# Altium PCB mdriver_power.PcbDoc (part 4 of 5) (continued)
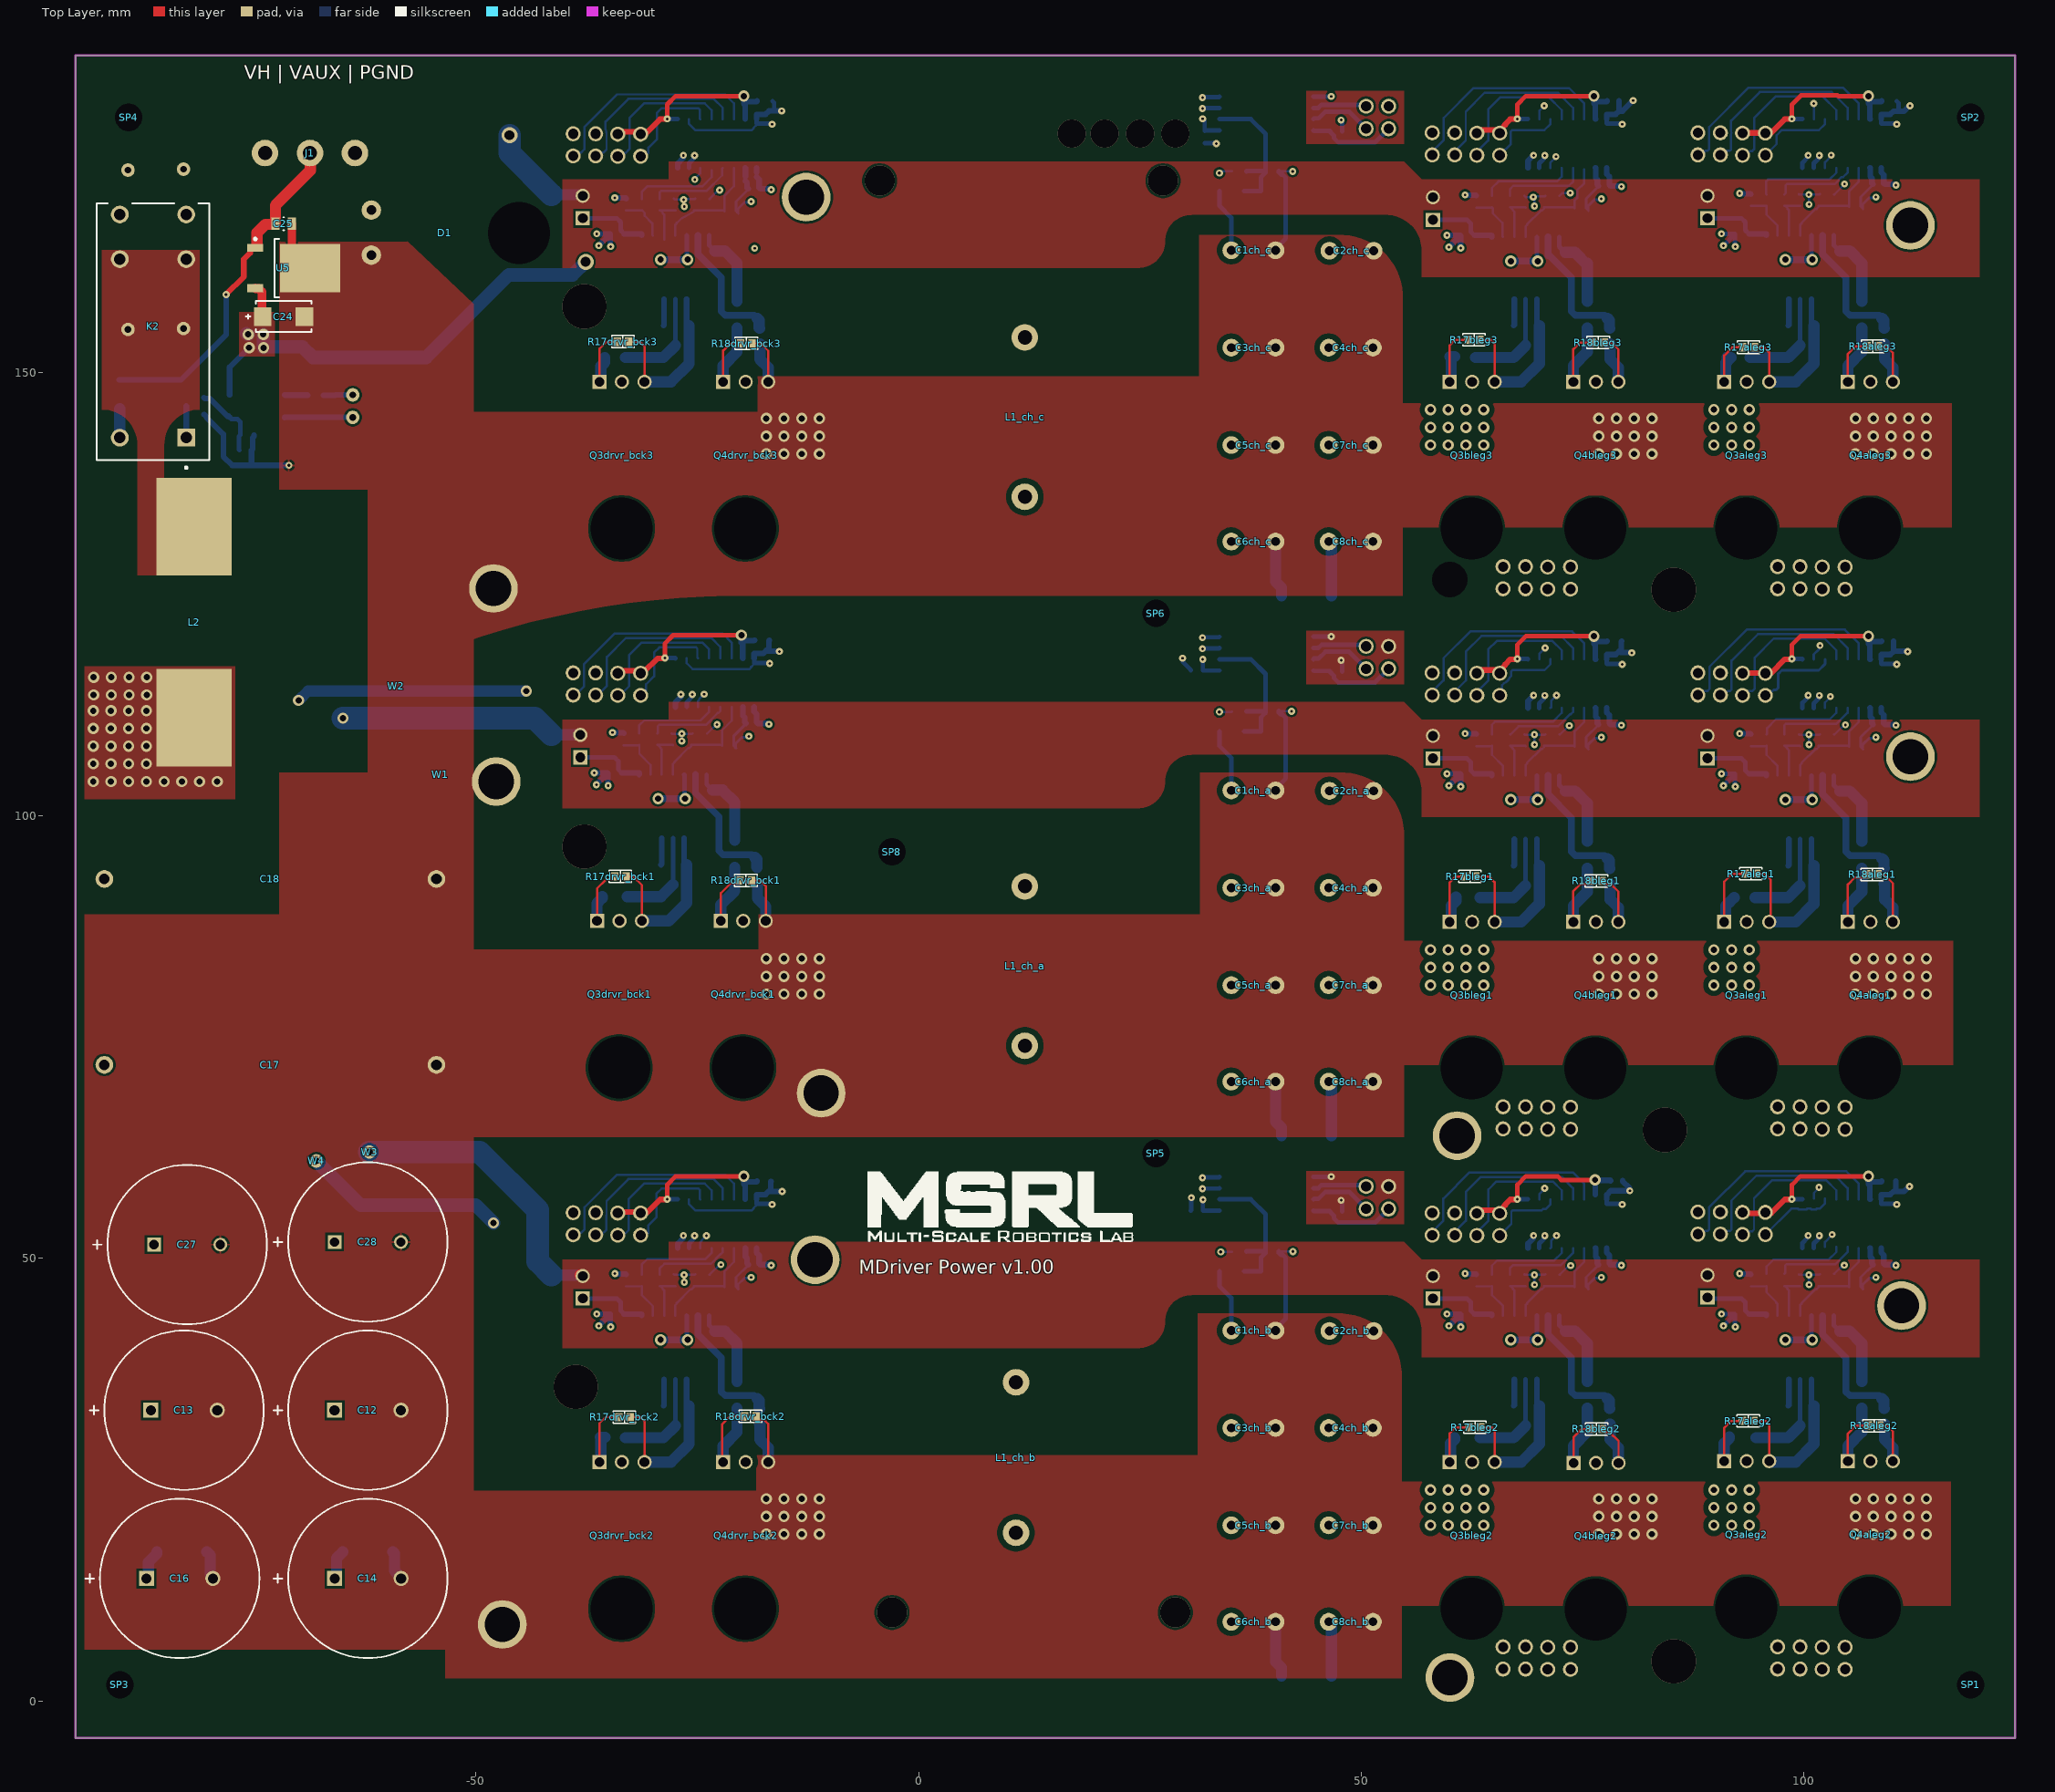
[diagram p0: Top Layer view]
## Nets (pads, with @x,y where several pads share a name; then routed paths per layer and width w, separated by ;. In a path a pad name is that pad's centre, name@x,y a point inside that pad or via, vN(x,y) a via of type N, cw(c..) or ccw(c..) an arc to the next point about the centre after c; other vN are vias at no path point) (continued)
  Bottom Layer w0.635: U4drvr_bck1.8@-18.567,117.766 -18.567,118.281 -18.55,118.298 -17.544,118.298 -17.172,118.67 -17.069,118.568 -15.749,118.568 v2(-15.718,118.536) ; -16.901,118.568 -16.901,119.734 cdrvr_bck1.2@-16.859,119.776
SGND_ext_drvr_bck2: cdrvr_bck2.2 P4drvr_bck2.6 P4drvr_bck2.8 U4drvr_bck2.2 U4drvr_bck2.8 | length 15.9
  Bottom Layer w0.254: U4drvr_bck2.2@-25.914,56.654 -25.914,56.104 -25.233,55.423 -18.82,55.423 -18.64,55.603 -18.64,55.664 -18.252,56.053 U4drvr_bck2.8@-18.252,56.134
  Bottom Layer w0.508: U4drvr_bck2.8@-18.294,56.654 -18.294,56.176 -18.252,56.134 -16.596,56.134 v2(-16.54,56.078)
  Bottom Layer w0.635: U4drvr_bck2.8@-18.294,56.654 -18.294,57.169 -18.277,57.186 -17.271,57.186 -16.899,57.558 ; cdrvr_bck2.2@-16.665,58.687 -16.708,58.644 -16.708,57.75 -16.899,57.558 ; v2(-15.401,57.541) -15.418,57.558 -16.665,57.558 -16.899,57.558
SGND_ext_drvr_bck3: cdrvr_bck3.2 P4drvr_bck3.6 P4drvr_bck3.8 U4drvr_bck3.2 U4drvr_bck3.8 | length 15.9
  Bottom Layer w0.254: U4drvr_bck3.2@-25.914,178.654 -25.914,178.104 -25.233,177.423 -18.82,177.423 -18.64,177.603 -18.64,177.664 -18.252,178.053 U4drvr_bck3.8@-18.252,178.134
  Bottom Layer w0.508: U4drvr_bck3.8@-18.294,178.654 -18.294,178.176 -18.252,178.134 -16.596,178.134 v2(-16.54,178.078) ; cdrvr_bck3.2@-16.502,180.701 -16.306,180.505 -16.306,179.694 -16.19,179.578
  Bottom Layer w0.635: U4drvr_bck3.8@-18.294,178.654 -18.294,179.169 -18.277,179.186 -17.271,179.186 -16.879,179.578 -16.19,179.578 v2(-15.464,179.578)
VAUX: C25.1 J1.2 P1aleg1.2 P1aleg2.2 P1aleg3.2 P1bleg1.2 P1bleg2.2 P1bleg3.2 P1drvr_bck1.2 P1drvr_bck2.2 P1drvr_bck3.2 R20.1 U5.1 W3.2 | length 260.6
  Top Layer w0.635: v3(-78.19,158.842) -76.19,160.842 -76.19,162.824 -75.474,163.539 -75.474,163.989 -75.342,164.122 U5.1@-74.892,164.122
  Top Layer w1.27: U5.1@-74.69,164.307 -74.69,165.842 -73.755,166.777 -72.682,166.777 C25.1@-72.617,166.842 -72.617,168.915 -68.69,172.842 J1.2@-68.69,174.842 ; P1drvr_bck2.2@-38.19,48.112 P1drvr_bck2.2@-38.152,48.074 ; P1drvr_bck1.2@-38.19,109.112 P1drvr_bck1.2@-38.152,109.074 ; P1drvr_bck2.2@-37.917,48 P1drvr_bck2.2@-37.879,47.962 ; P1drvr_bck3.2@-37.917,170 P1drvr_bck3.2@-37.879,169.962
  Int1 (GND) w1.27: -67.509,109.058 -67.293,108.842 ; -67.349,115.992 -67.293,116.049 ; -67.293,67 -67,67
  Int1 (GND) w2: J1.2@-68.69,174.842 -68.69,178.242 -67.39,179.542 -53.49,179.542 -50.79,176.842 v7(-46.19,176.842)
  Int1 (GND) w2.032: -69.69,134.842 -69.69,136.842 -66.69,139.842 -66.69,162.842 -68.69,164.842 J1.2@-68.69,174.842
  Int1 (GND) w2.54: -69.69,134.842 -69.69,118.333 -67.349,115.992 ; -67.293,67 -67.293,108.842 -67.293,111 ; -67.293,116.049 -67.293,111 ; -67,67 W3.2@-62,62 ; v1(-65,111) -67.293,111
  Bottom Layer w0.635: R20.1@-90.29,149.217 -83.268,149.217 -78.19,154.295 v3(-78.19,158.842)
  Bottom Layer w1.27: -41.46,48.112 P1drvr_bck2.2@-38.19,48.112 ; -41.46,109.112 P1drvr_bck1.2@-38.19,109.112 ; -41.46,170.112 P1drvr_bck3.2@-38.19,170.112
  Bottom Layer w2.54: v1(-65,111) -43.348,111 -41.46,109.112 ; W3.2@-62,62 -49.561,62 -43,55.439 -43,49.652 -41.46,48.112 ; v7(-46.19,176.842) -46.19,174.842 -41.46,170.112
VAUX_A_aleg1: C10aleg1.2 P1aleg1.1 U2aleg1.1 | length 8.1
  Bottom Layer w0.508: P1aleg1.1@89.083,106.46 92.935,106.46 93.362,106.033 93.362,105.096 C10aleg1.2@93.758,104.7
  Bottom Layer w0.635: C10aleg1.2@93.758,104.7 95.723,104.7 95.73,104.692 U2aleg1.1@95.73,104.524
VAUX_A_aleg2: C10aleg2.2 P1aleg2.1 U2aleg2.1 | length 8.1
  Bottom Layer w0.508: P1aleg2.1@89.083,45.46 92.935,45.46 93.362,45.033 93.362,44.096 C10aleg2.2@93.758,43.7
  Bottom Layer w0.635: C10aleg2.2@93.758,43.7 95.723,43.7 95.73,43.692 U2aleg2.1@95.73,43.524
VAUX_A_aleg3: C10aleg3.2 P1aleg3.1 U2aleg3.1 | length 8.1
  Bottom Layer w0.508: P1aleg3.1@89.083,167.46 92.935,167.46 93.362,167.033 93.362,166.096 C10aleg3.2@93.758,165.7
  Bottom Layer w0.635: C10aleg3.2@93.758,165.7 95.723,165.7 95.73,165.692 U2aleg3.1@95.73,165.524
VAUX_A_bleg1: C10bleg1.2 P1bleg1.1 U2bleg1.1 | length 8.1
  Bottom Layer w0.508: P1bleg1.1@58.083,106.46 61.935,106.46 62.362,106.033 62.362,105.096 C10bleg1.2@62.758,104.7
  Bottom Layer w0.635: C10bleg1.2@62.758,104.7 64.723,104.7 64.73,104.692 U2bleg1.1@64.73,104.524
VAUX_A_bleg2: C10bleg2.2 P1bleg2.1 U2bleg2.1 | length 8.1
  Bottom Layer w0.508: P1bleg2.1@58.083,45.46 61.935,45.46 62.362,45.033 62.362,44.096 C10bleg2.2@62.758,43.7
  Bottom Layer w0.635: C10bleg2.2@62.758,43.7 64.723,43.7 64.73,43.692 U2bleg2.1@64.73,43.524
VAUX_A_bleg3: C10bleg3.2 P1bleg3.1 U2bleg3.1 | length 8.1
  Bottom Layer w0.508: P1bleg3.1@58.083,167.282 61.935,167.282 62.362,166.855 62.362,165.918 C10bleg3.2@62.758,165.522
  Bottom Layer w0.635: C10bleg3.2@62.758,165.522 64.723,165.522 64.73,165.515 U2bleg3.1@64.73,165.346
VAUX_A_drvr_bck1: C10drvr_bck1.2 P1drvr_bck1.1 U2drvr_bck1.1 | length 8.1
  Bottom Layer w0.508: P1drvr_bck1.1@-38.19,106.572 -34.338,106.572 -33.911,106.145 -33.911,105.208 C10drvr_bck1.2@-33.515,104.812
  Bottom Layer w0.635: C10drvr_bck1.2@-33.515,104.812 -31.55,104.812 -31.543,104.804 U2drvr_bck1.1@-31.543,104.636
VAUX_A_drvr_bck2: C10drvr_bck2.2 P1drvr_bck2.1 U2drvr_bck2.1 | length 8.1
  Bottom Layer w0.508: P1drvr_bck2.1@-37.917,45.46 -34.065,45.46 -33.638,45.033 -33.638,44.096 C10drvr_bck2.2@-33.242,43.7
  Bottom Layer w0.635: C10drvr_bck2.2@-33.242,43.7 -31.277,43.7 -31.27,43.692 U2drvr_bck2.1@-31.27,43.524
VAUX_A_drvr_bck3: C10drvr_bck3.2 P1drvr_bck3.1 U2drvr_bck3.1 | length 8.1
  Bottom Layer w0.508: P1drvr_bck3.1@-37.917,167.46 -34.065,167.46 -33.638,167.033 -33.638,166.096 C10drvr_bck3.2@-33.242,165.7
  Bottom Layer w0.635: C10drvr_bck3.2@-33.242,165.7 -31.277,165.7 -31.27,165.692 U2drvr_bck3.1@-31.27,165.524
vbuck_in_ch_a: C15drvr_bck1.1 Q3drvr_bck1.1
vbuck_in_ch_b: C15drvr_bck2.1 Q3drvr_bck2.1
vbuck_in_ch_c: C15drvr_bck3.1 Q3drvr_bck3.1
vbuck_out_ch_a: C1ch_a.1 C2ch_a.1 C3ch_a.1 C4ch_a.1 C5ch_a.1 C6ch_a.1 C7ch_a.1 C8ch_a.1 C15aleg1.1 C15bleg1.1 L1_ch_a.2 Q3aleg1.1 Q3bleg1.1 R12ch_a.2 R16ch_a.2 | length 13.5
  Bottom Layer w0.508: R12ch_a.2@33.966,109.526 33.966,107.878 35.31,106.534 C1ch_a.1@35.31,102.842
  Bottom Layer w1.27: C8ch_a.1@46.31,69.946 46.31,69.749 46.636,69.423 R16ch_a.2@46.636,63.842
  other v1: 57.81,80.842 59.81,80.842 61.81,80.842 63.81,80.842 89.81,80.842 91.81,80.842 93.81,80.842 57.81,82.842 59.81,82.842 61.81,82.842 63.81,82.842 89.81,82.842 91.81,82.842 93.81,82.842 57.81,84.842 59.81,84.842 61.81,84.842 63.81,84.842 89.81,84.842 91.81,84.842 93.81,84.842
vbuck_out_ch_b: C1ch_b.1 C2ch_b.1 C3ch_b.1 C4ch_b.1 C5ch_b.1 C6ch_b.1 C7ch_b.1 C8ch_b.1 C15aleg2.1 C15bleg2.1 L1_ch_b.2 Q3aleg2.1 Q3bleg2.1 R12ch_b.2 R16ch_b.2 | length 13.5
  Bottom Layer w0.508: R12ch_b.2@33.966,48.526 33.966,46.878 35.31,45.534 C1ch_b.1@35.31,41.842
  Bottom Layer w1.27: C8ch_b.1@46.31,8.946 46.31,8.749 46.636,8.423 R16ch_b.2@46.636,2.842
  other v1: 57.81,19.842 59.81,19.842 61.81,19.842 63.81,19.842 89.81,19.842 91.81,19.842 93.81,19.842 57.81,21.842 59.81,21.842 61.81,21.842 63.81,21.842 89.81,21.842 91.81,21.842 93.81,21.842 57.81,23.842 59.81,23.842 61.81,23.842 63.81,23.842 89.81,23.842 91.81,23.842 93.81,23.842
vbuck_out_ch_c: C1ch_c.1 C2ch_c.1 C3ch_c.1 C4ch_c.1 C5ch_c.1 C6ch_c.1 C7ch_c.1 C8ch_c.1 C15aleg3.1 C15bleg3.1 L1_ch_c.2 Q3aleg3.1 Q3bleg3.1 R12ch_c.2 R16ch_c.2 | length 13.5
  Bottom Layer w0.508: R12ch_c.2@33.966,170.526 33.966,168.878 35.31,167.534 C1ch_c.1@35.31,163.842
  Bottom Layer w1.27: C8ch_c.1@46.31,130.946 46.31,130.749 46.636,130.423 R16ch_c.2@46.636,124.842
  other v1: 57.81,141.842 59.81,141.842 61.81,141.842 63.81,141.842 89.81,141.842 91.81,141.842 93.81,141.842 57.81,143.842 59.81,143.842 61.81,143.842 63.81,143.842 89.81,143.842 91.81,143.842 93.81,143.842 57.81,145.842 59.81,145.842 61.81,145.842 63.81,145.842 89.81,145.842 91.81,145.842 93.81,145.842
vdcmm_ch_a: P5ch_a.2 U1ch_a.6 | length 6.2
  Bottom Layer w0.508: U1ch_a.6@44.569,118.924 45.148,118.924 45.494,119.27 50.514,119.27 P5ch_a.2@50.606,119.178
vdcmm_ch_b: P5ch_b.2 U1ch_b.6 | length 6.2
  Bottom Layer w0.508: U1ch_b.6@44.569,57.924 45.148,57.924 45.494,58.27 50.514,58.27 P5ch_b.2@50.606,58.178
vdcmm_ch_c: P5ch_c.2 U1ch_c.6 | length 6.2
  Bottom Layer w0.508: U1ch_c.6@44.569,179.924 45.148,179.924 45.494,180.27 50.514,180.27 P5ch_c.2@50.606,180.178
vdcmp_ch_a: P5ch_a.4 U1ch_a.7 | length 7.2
  Bottom Layer w0.508: U1ch_a.7@44.569,117.654 44.657,117.742 45.171,117.742 45.938,118.508 48.612,118.508 50.483,116.638 P5ch_a.4@50.606,116.638
vdcmp_ch_b: P5ch_b.4 U1ch_b.7 | length 7.2
  Bottom Layer w0.508: U1ch_b.7@44.569,56.654 44.657,56.742 45.171,56.742 45.938,57.508 48.612,57.508 50.483,55.638 P5ch_b.4@50.606,55.638
vdcmp_ch_c: P5ch_c.4 U1ch_c.7 | length 7.2
  Bottom Layer w0.508: U1ch_c.7@44.569,178.654 44.657,178.742 45.171,178.742 45.938,179.508 48.612,179.508 50.483,177.638 P5ch_c.4@50.606,177.638
VH: C12.1 C13.1 C14.1 C16.1 C17.2 C18.2 C27.1 C28.1 L2.2 R14.2 R15.2 | length 6.9
  Bottom Layer w1.27: C16.1@-87.18,13.842 -86.965,14.057 -86.965,15.676 -86.006,16.635 R14.2@-86.006,16.842 ; C14.1@-65.93,13.842 -65.715,14.057 -65.715,16.133 R15.2@-65.006,16.842
  other v1: -93.19,103.842 -91.19,103.842 -89.19,103.842 -87.19,103.842 -85.19,103.842 -83.19,103.842 -81.19,103.842 -79.19,103.842 -93.19,105.842 -91.19,105.842 -89.19,105.842 -87.19,105.842 -93.19,107.842 -91.19,107.842 -89.19,107.842 -87.19,107.842 -93.19,109.842 -91.19,109.842 -89.19,109.842 -87.19,109.842 -93.19,111.842 -91.19,111.842 -89.19,111.842 -87.19,111.842 -93.148,113.62 -91.148,113.62 -89.148,113.62 -87.148,113.62 -93.148,115.62 -91.148,115.62 -89.148,115.62 -87.148,115.62
¬rel_en: P7.2 R22.1 | length 3.4
  Bottom Layer w0.635: R22.1@-67.215,147.442 -65.89,147.442 -65.82,147.512 P7.2@-63.89,147.512
pads on no net: D1.4 Q3aleg1.4 Q3aleg2.4 Q3aleg3.4 Q3bleg1.4 Q3bleg2.4 Q3bleg3.4 Q3drvr_bck1.4 Q3drvr_bck2.4 Q3drvr_bck3.4 Q4aleg1.4 Q4aleg2.4 Q4aleg3.4 Q4bleg1.4 Q4bleg2.4 Q4bleg3.4 Q4drvr_bck1.4 Q4drvr_bck2.4 Q4drvr_bck3.4 scrw7.1 scrw13.1 SP1.134 SP2.134 SP3.134 SP4.134 SP5.134 SP6.134 SP8.134 U2aleg1.8 U2aleg1.9 U2aleg1.13 U2aleg1.14 U2aleg2.8 U2aleg2.9 U2aleg2.13 U2aleg2.14 U2aleg3.8 U2aleg3.9 U2aleg3.13 U2aleg3.14 U2bleg1.8 U2bleg1.9 U2bleg1.13 U2bleg1.14 U2bleg2.8 U2bleg2.9 U2bleg2.13 U2bleg2.14 U2bleg3.8 U2bleg3.9 U2bleg3.13 U2bleg3.14 U2drvr_bck1.8 U2drvr_bck1.9 U2drvr_bck1.13 U2drvr_bck1.14 U2drvr_bck2.8 U2drvr_bck2.9 U2drvr_bck2.13 U2drvr_bck2.14 U2drvr_bck3.8 U2drvr_bck3.9 U2drvr_bck3.13 U2drvr_bck3.14
copper on no net:
  other v2: -18.513,164.062
  other v4: 85.273,4.5 -38.727,35.5 84.273,64.5 -37.727,96.5 85.273,125.5 -37.727,157.5
  other v5: -3,10 29,10 -4.4,171.7 27.6,171.7
  other v6: 17.3,177 21,177 25,177 29,177

## Polygon pours and split planes (outlines as drawn)
NetF1_2 on Bottom Layer "NONET_L01_P-001" (solid, pour order 172): -77.69,181.842 -77.69,169.842 -77.69,166.842 -91.69,166.842 -91.69,176 -83.032,176 -80.69,178.342 -80.69,181.842
NetF1_1 on Bottom Layer "NONET_L01_P-001" (solid, pour order 171): -75.321,173.397 -75.321,181.842 -72.48,181.842 -72.48,173.397
vbuck_in_ch_c on Bottom Layer "NONET_L02_P-001" (solid, pour order 167): -28.21,145.846 -28.21,139.846 -34.37,139.846 -34.37,149.846 -32.664,149.846 -32.664,145.846
vbuck_in_ch_a on Bottom Layer "NONET_L02_P-001" (solid, pour order 166): -28.467,84.832 -28.467,78.832 -34.627,78.832 -34.627,88.832 -32.92,88.832 -32.92,84.832
vbuck_in_ch_b on Bottom Layer "NONET_L02_P-001" (solid, pour order 165): -28.19,23.842 -28.19,17.842 -34.35,17.842 -34.35,27.842 -32.643,27.842 -32.643,23.842
vbuck_out_ch_c on Bottom Layer "NONET_L02_P-001" (solid, pour order 117): 87.81,146.842 92.688,146.842 92.688,149.842 94.414,149.842 94.414,146.842 98.81,146.842 98.81,139.842 87.81,139.842
PGND on Bottom Layer "NONET_L02_P-001" (solid, pour order 106): 102.81,145.842 109.175,145.842 109.175,149.842 114.81,149.842 114.81,145.842 114.81,139.842 102.81,139.842
vbuck_out_ch_c on Bottom Layer "NONET_L02_P-001" (solid, pour order 113): 56.81,146.842 61.683,146.842 61.683,149.842 63.37,149.842 63.37,146.842 67.616,146.842 67.616,139.842 56.81,139.842
PGND on Bottom Layer "NONET_L02_P-001" (solid, pour order 102): 71.81,146.842 78.2,146.842 78.2,149.842 83.81,149.842 83.81,139.842 71.81,139.842
vbuck_out_ch_c on Bottom Layer "NONET_L02_P-001" (solid, pour order 116): 87.81,146.842 92.688,146.842 92.688,149.842 94.414,149.842 94.414,146.842 98.81,146.842 98.81,139.842 87.81,139.842
vbuck_out_ch_c on Bottom Layer "NONET_L02_P-001" (solid, pour order 112): 56.81,146.842 61.683,146.842 61.683,149.842 63.37,149.842 63.37,146.842 67.666,146.842 67.666,139.842 56.81,139.842
PGND on Bottom Layer "NONET_L02_P-001" (solid, pour order 105): 102.81,145.842 109.175,145.842 109.175,149.842 114.81,149.842 114.81,145.842 114.81,139.842 102.81,139.842
PGND on Bottom Layer "NONET_L02_P-001" (solid, pour order 101): 71.81,146.842 78.2,146.842 78.2,149.842 83.81,149.842 83.81,139.842 71.81,139.842
PGND on Bottom Layer "NONET_L-01_P-001" (solid, pour order 91): -24.19,145.842 -10.19,145.842 -10.19,139.842 -24.19,139.842
vbuck_out_ch_b on Bottom Layer "NONET_L02_P-001" (solid, pour order 118): 87.81,24.842 92.688,24.842 92.688,27.842 94.414,27.842 94.414,24.842 98.81,24.842 98.81,17.842 87.81,17.842
vbuck_out_ch_b on Bottom Layer "NONET_L02_P-001" (solid, pour order 114): 56.81,24.842 61.683,24.842 61.683,27.842 63.37,27.842 63.37,24.842 67.81,24.842 67.81,17.842 56.81,17.842
PGND on Bottom Layer "NONET_L02_P-001" (solid, pour order 107): 102.81,23.842 109.175,23.842 109.175,27.842 114.81,27.842 114.81,23.842 114.81,17.842 102.81,17.842
PGND on Bottom Layer "NONET_L02_P-001" (solid, pour order 103): 71.81,24.842 78.2,24.842 78.2,27.842 83.81,27.842 83.81,17.842 71.81,17.842
PGND on Bottom Layer "NONET_L-01_P-001" (solid, pour order 92): -24.19,23.842 -10.19,23.842 -10.19,17.842 -24.19,17.842
PGND on Bottom Layer "NONET_L-01_P-001" (solid, pour order 90): -24.19,84.842 -10.19,84.842 -10.19,78.842 -24.19,78.842
PGND on Bottom Layer "NONET_L02_P-001" (solid, pour order 100): 71.81,85.842 78.2,85.842 78.2,88.842 83.81,88.842 83.81,78.842 71.81,78.842
PGND on Bottom Layer "NONET_L02_P-001" (solid, pour order 104): 102.81,84.842 109.175,84.842 109.175,88.842 114.81,88.842 114.81,84.842 114.81,78.842 102.81,78.842
vbuck_out_ch_a on Bottom Layer "NONET_L02_P-001" (solid, pour order 111): 56.81,85.842 61.683,85.842 61.683,88.842 63.37,88.842 63.37,85.842 67.619,85.842 67.619,78.842 56.81,78.842
vbuck_out_ch_a on Bottom Layer "NONET_L02_P-001" (solid, pour order 115): 87.81,85.842 92.688,85.842 92.688,88.842 94.414,88.842 94.414,85.842 98.81,85.842 98.81,78.842 87.81,78.842
PGND on Top Layer "NONET_L-01_P-001" (solid, pour order 161): -53.447,23.758 -18.298,23.758 -18.298,27.758 31.553,27.758 31.553,43.758 47.553,43.758 cw(c47.553,36.771) 54.54,36.771 54.54,24.758 116.553,24.758 116.553,10.758 54.54,10.758 54.54,2.595 -53.447,2.595
PGND on Top Layer "NONET_L-01_P-001" (solid, pour order 177): -53.328,145.571 -18.178,145.571 -18.178,149.571 31.672,149.571 31.672,165.571 47.672,165.571 cw(c47.672,158.584) 54.659,158.584 54.659,146.571 116.672,146.571 116.672,132.571 54.659,132.571 54.659,124.842 -19.973,124.842 ccw(c-19.973,29.132) -53.328,118.842 -53.328,124.842
PGND on Top Layer "NONET_L-01_P-001" (solid, pour order 140): -53.19,84.842 -18.04,84.842 -18.04,88.842 31.81,88.842 31.81,104.842 47.81,104.842 cw(c47.81,97.855) 54.797,97.855 54.797,85.842 116.81,85.842 116.81,71.842 54.797,71.842 54.797,63.679 -53.19,63.679
VAUX on Top Layer "NONET_L02_P-001" (solid, pour order 145): -40.19,171.842 -40.19,161.842 24.81,161.842 ccw(c24.81,164.842) 27.81,164.842 cw(c30.81,164.842) 30.81,167.842 52.81,167.842 cw(c52.81,163.842) 56.81,163.842 56.81,160.842 119.81,160.842 119.81,171.842 56.81,171.842 54.81,173.842 -28.19,173.842 -28.19,171.842
VAUX on Top Layer "NONET_L02_P-001" (solid, pour order 144): -40.19,110.842 -40.19,100.842 24.81,100.842 ccw(c24.81,103.842) 27.81,103.842 cw(c30.81,103.842) 30.81,106.842 52.81,106.842 cw(c52.81,102.842) 56.81,102.842 56.81,99.842 119.81,99.842 119.81,110.842 56.81,110.842 54.81,112.842 -28.19,112.842 -28.19,110.842
VAUX on Top Layer "NONET_L02_P-001" (solid, pour order 160): -40.19,49.842 -40.19,39.842 24.81,39.842 ccw(c24.81,42.842) 27.81,42.842 cw(c30.81,42.842) 30.81,45.842 52.81,45.842 cw(c52.81,41.842) 56.81,41.842 56.81,38.842 119.81,38.842 119.81,49.842 56.81,49.842 54.81,51.842 -28.19,51.842 -28.19,49.842
PGND on Top Layer "NONET_L-01_P-001" (solid, pour order 89): -74.19,5.842 -50.232,5.842 -50.232,157.794 -57.69,164.842 -71.575,164.804 -72.19,164.825 -72.19,136.842 -62.19,136.842 -62.19,104.842 -72.19,104.842 -72.19,88.842 -94.19,88.842 -94.19,5.842
NetK2_11 on Top Layer "NONET_L02_P-001" (solid, pour order 180): -91.69,163.842 -81.19,163.842 -81.19,145.842 ccw(c-81.19,141.842) -85.19,141.842 -85.19,127.129 -88.19,127.129 -88.19,141.842 ccw(c-92.19,141.842) -92.19,145.842 -92.19,163.842
VH on Top Layer "NONET_L02_P-001" (solid, pour order 179): -94.19,116.842 -77.19,116.842 -77.19,101.842 -94.19,101.842
+5P on Top Layer "NONET_L01_P-001" (solid, pour order 88): -76.69,156.842 -72.69,156.842 -72.69,151.842 -76.69,151.842
+5_ext_ch_b on Top Layer "NONET_L02_P-001" (solid, pour order 142): 43.81,181.842 54.81,181.842 54.81,175.842 43.81,175.842
SGND_ext_1_ch_b on Top Layer "NONET_L02_P-001" (solid, pour order 143): 43.81,59.842 54.81,59.842 54.81,53.842 43.81,53.842
SGND_ext_1_ch_a on Top Layer "NONET_L02_P-001" (solid, pour order 141): 43.81,120.842 54.81,120.842 54.81,114.842 43.81,114.842
buck_in_ch_b on Int1 (GND) "NONET_L-01_P-001" (solid, pour order 95): -32.101,27.842 -30.19,27.842 -30.19,25.842 -20.601,25.842 -20.601,27.842 -18.83,27.842 -18.83,23.842 -20.19,23.842 -20.19,18.842 -17.998,16.65 5.885,16.65 10.347,22.467 13,22.467 13,11.542 -20.89,11.542 -29.19,19.842 -29.19,23.842 -32.101,23.842
PGND on Int1 (GND) "NONET_L02_P-001" (solid, pour order 159): 2.219,59.842 54.81,59.842 40.81,59.842 40.81,49.842 40.81,51.831 54.81,51.848 54.81,49.842 68.256,49.842 68.256,53.842 82.81,53.842 82.81,50.842 98.81,50.842 98.81,52.942 119.81,52.842 119.81,50.842 119.81,48.842 119.81,38.842 53.81,38.842 53.81,44.887 9,44.761 4.081,39.842 -7.19,39.842 -43.19,39.842 -51.19,39.842 -51.19,49.842 -28.19,49.842 -28.19,53.22 2.219,53.22
buck_in_ch_a on Int1 (GND) "NONET_L-01_P-001" (solid, pour order 93): -32.101,88.842 -30.19,88.842 -30.19,86.842 -20.601,86.842 -20.601,88.842 -18.83,88.842 -18.83,84.842 -20.19,84.842 -20.19,79.842 -17.348,77 7.98,77 10,79 15,79 15,75.842 15,72 -20.348,72 -29.19,80.842 -29.19,84.842 -32.101,84.842
buck_in_ch_c on Int1 (GND) "NONET_L-01_P-001" (solid, pour order 94): -31.72,149.842 -30.19,149.842 -30.19,147.842 -20.601,147.842 -20.601,149.842 -18.83,149.842 -18.83,145.842 -20.19,145.842 -20.19,140.842 ccw(c-10.533,150.499) -10.533,136.842 -12.1,136.932 8.186,137.023 10.667,140 15,140 15,136.842 15,130.842 -18.19,130.842 -29.19,141.842 -29.19,145.842 -31.72,145.842
vbuck_out_ch_b on Int1 (GND) "NONET_L02_P-001" (solid, pour order 121): 53.81,2.842 53.81,37.462 9.425,37.462 9.425,34.07 31.81,34.07 31.81,2.842
vbuck_out_ch_c on Int1 (GND) "NONET_L02_P-001" (solid, pour order 120): 53.81,124.842 53.81,155.842 31.81,155.842 10.81,155.842 10.81,150.842 31.81,150.842 31.81,124.842
vbuck_out_ch_a on Int1 (GND) "NONET_L02_P-001" (solid, pour order 119): 53.81,63.842 53.81,94.842 31.81,94.842 10.81,94.842 10.81,88.494 31.81,88.494 31.81,63.842
+5P on Int1 (GND) "NONET_L01_P-001" (solid, pour order 174): -76.69,157.43 -76.69,151.846 -70.69,151.846 -70.69,157.43
PGND on Int1 (GND) "NONET_L02_P-001" (solid, pour order 162): 2.219,181.842 54.81,181.842 40.81,181.842 40.81,171.842 40.81,173.831 54.81,173.848 54.81,171.842 68.256,171.842 68.256,175.842 82.81,175.842 82.81,172.842 98.81,172.842 98.81,174.942 119.81,174.842 119.81,172.842 119.81,170.842 119.81,160.842 53.81,160.842 53.81,162.014 16.81,161.91 16.81,170.842 16.81,161.842 -7.19,161.842 -43.19,161.842 -51.69,149.842 -51.69,161.842 -51.69,171.842 -28.19,171.842 -28.19,175.22 2.219,175.22
NetD1_2 on Int1 (GND) "NONET_L01_P-001" (solid, pour order 170): -65.022,176.302 -59.69,176.302 -59.69,166.889 -65.022,166.889
PGND on Int1 (GND) "NONET_L02_P-001" (solid, pour order 98): 2.219,120.842 54.81,120.842 40.81,120.842 40.81,110.842 40.81,112.831 54.81,112.848 54.81,110.842 68.256,110.842 68.256,114.842 82.81,114.842 82.81,111.842 98.81,111.842 98.81,113.942 119.81,113.842 119.81,111.842 119.81,109.842 119.81,99.842 53.81,99.842 53.81,105.887 31.81,105.825 16.81,105.825 16.81,100.842 -7.19,100.842 -43.19,100.842 -51.19,100.842 -51.19,110.842 -28.19,110.842 -28.19,114.22 2.219,114.22
PGND on Int1 (GND) "NONET_L02_P-001" (solid, pour order 99): -63,39.842 -63,164.842 -58.59,164.842 -58.59,171.742 -50.19,171.742 -50.19,39.842
NetC9bleg3_1 on Int1 (GND) "NONET_L02_P-001" (solid, pour order 151): 63.81,149.842 65.81,149.842 65.81,147.582 75.654,147.582 75.654,149.842 77.38,149.842 77.38,145.842 75.81,145.842 ccw(c75.81,142.842) 72.81,142.842 72.81,129.842 75.81,129.842 75.81,123.471 63.81,123.471 63.81,129.842 66.81,129.842 66.81,142.842 ccw(c63.81,142.842) 63.81,145.842
NetC9bleg3_1 on Int1 (GND) "NONET_L02_P-001" (solid, pour order 150): 63.81,149.842 65.81,149.842 65.81,147.582 75.654,147.582 75.654,149.842 77.38,149.842 77.38,145.842 75.81,145.842 ccw(c75.81,142.842) 72.81,142.842 72.81,129.842 75.81,129.842 75.81,123.471 63.81,123.471 63.81,129.842 66.81,129.842 66.81,142.842 ccw(c63.81,142.842) 63.81,145.842
NetC9aleg3_1 on Int1 (GND) "NONET_L02_P-001" (solid, pour order 155): 95.195,149.842 96.81,149.842 96.81,147.582 106.654,147.582 106.654,149.842 108.38,149.842 108.38,145.842 106.81,145.842 ccw(c106.81,142.842) 103.81,142.842 103.81,129.842 106.81,129.842 106.81,122.842 94.81,122.842 94.81,129.842 97.81,129.842 97.81,142.842 ccw(c94.81,142.842) 95.195,145.817
NetC9aleg3_1 on Int1 (GND) "NONET_L02_P-001" (solid, pour order 154): 95.195,149.842 96.81,149.842 96.81,147.582 106.654,147.582 106.654,149.842 108.38,149.842 108.38,145.842 106.81,145.842 ccw(c106.81,142.842) 103.81,142.842 103.81,129.842 106.81,129.842 106.81,122.842 94.81,122.842 94.81,129.842 97.81,129.842 97.81,142.842 ccw(c94.81,142.842) 95.195,145.817
NetC9aleg2_1 on Int1 (GND) "NONET_L02_P-001" (solid, pour order 157): 95.195,27.954 96.81,27.954 96.81,25.694 106.654,25.694 106.654,27.954 108.38,27.954 108.38,23.954 106.81,23.954 ccw(c106.81,20.954) 103.81,20.954 103.81,7.954 106.81,7.954 106.81,0.954 94.81,0.954 94.81,7.954 97.81,7.954 97.81,20.954 ccw(c94.81,20.954) 95.195,23.929
NetC9bleg2_1 on Int1 (GND) "NONET_L02_P-001" (solid, pour order 152): 63.81,27.842 65.81,27.842 65.81,25.582 75.654,25.582 75.654,27.842 77.38,27.842 77.38,23.842 75.81,23.842 ccw(c75.81,20.842) 72.81,20.842 72.81,7.842 75.81,7.842 75.81,1.471 63.81,1.471 63.81,7.842 66.81,7.842 66.81,20.842 ccw(c63.81,20.842) 63.81,23.842
NetC9aleg2_1 on Int1 (GND) "NONET_L02_P-001" (solid, pour order 156): 95.195,27.842 96.81,27.842 96.81,25.582 106.654,25.582 106.654,27.842 108.38,27.842 108.38,23.842 106.81,23.842 ccw(c106.81,20.842) 103.81,20.842 103.81,7.842 106.81,7.842 106.81,0.842 94.81,0.842 94.81,7.842 97.81,7.842 97.81,20.842 ccw(c94.81,20.842) 95.195,23.817
NetC9aleg1_1 on Int1 (GND) "NONET_L02_P-001" (solid, pour order 153): 95.195,88.842 96.81,88.842 96.81,86.582 106.654,86.582 106.654,88.842 108.38,88.842 108.38,84.842 106.81,84.842 ccw(c106.81,81.842) 103.81,81.842 103.81,68.842 106.81,68.842 106.81,61.842 94.81,61.842 94.81,68.842 97.81,68.842 97.81,81.842 ccw(c94.81,81.842) 95.195,84.817
NetC9bleg1_1 on Int1 (GND) "NONET_L02_P-001" (solid, pour order 149): 63.81,88.842 65.81,88.842 65.81,86.582 75.654,86.582 75.654,88.842 77.38,88.842 77.38,84.842 75.81,84.842 ccw(c75.81,81.842) 72.81,81.842 72.81,68.842 75.81,68.842 75.81,62.471 63.81,62.471 63.81,68.842 66.81,68.842 66.81,81.842 ccw(c63.81,81.842) 63.81,84.842
VH on Int2 (PWR) "NONET_L02_P-001" (solid, pour order 163): -57.19,25.842 -34.371,25.842 -34.371,27.842 -32.651,27.842 -32.651,25.842 17.81,25.842 21.81,25.842 21.81,2.842 -57.19,2.842
SGND_ext_bleg1 on Int2 (PWR) "NONET_L02_P-001" (solid, pour order 131): 56.584,59.586 56.584,51.586 66.584,51.586 66.584,55.586 81.584,55.586 81.584,59.586
VH on Int2 (PWR) "NONET_L02_P-001" (solid, pour order 164): -57.19,147.842 -34.331,147.842 -34.331,149.842 -32.699,149.842 -32.699,147.842 17.81,147.842 21.81,147.842 21.81,124.842 -57.19,124.842
VH on Int2 (PWR) "NONET_L02_P-001" (solid, pour order 97): -57.19,86.842 -34.6,86.842 -34.6,88.842 -32.943,88.842 -32.943,86.842 17.81,86.842 21.81,86.842 21.81,63.842 -57.19,63.842
VH on Int2 (PWR) "NONET_L02_P-001" (solid, pour order 158): -94.19,2.842 -50.19,2.842 -50.19,28.842 -50.19,35.842 -50.19,157.842 -94.19,157.842
vbuck_out_ch_c on Int2 (PWR) "NONET_L02_P-001" (solid, pour order 109): 31.81,165.842 50.06,165.842 cw(c50.06,161.092) 54.81,161.092 54.81,146.842 112.81,146.842 112.81,135.842 54.81,135.842 54.81,124.842 31.81,124.842 31.81,162.842
vbuck_out_ch_b on Int2 (PWR) "NONET_L02_P-001" (solid, pour order 110): 31.81,43.842 50.06,43.842 cw(c50.06,39.092) 54.81,39.092 54.81,24.842 112.81,24.842 112.81,13.842 54.81,13.842 54.81,2.842 31.81,2.842 31.81,40.842
vbuck_out_ch_a on Int2 (PWR) "NONET_L02_P-001" (solid, pour order 108): 31.81,104.842 50.06,104.842 cw(c50.06,100.092) 54.81,100.092 54.81,85.842 112.81,85.842 112.81,74.842 54.81,74.842 54.81,63.842 31.81,63.842 31.81,101.842
SGND_ext_bleg1 on Int2 (PWR) "NONET_L02_P-001" (solid, pour order 125): -40.19,181.842 -40.19,173.842 -30.19,173.842 -30.19,177.842 -15.19,177.842 -15.19,181.842
SGND_ext_bleg2 on Int2 (PWR) "NONET_L02_P-001" (solid, pour order 130): 56.584,59.588 56.584,51.588 66.584,51.588 66.584,55.588 81.584,55.588 81.584,59.588
SGND_ext_bleg1 on Int2 (PWR) "NONET_L02_P-001" (solid, pour order 128): 56.584,181.588 56.584,173.588 66.584,173.588 66.584,177.588 81.584,177.588 81.584,181.588
SGND_ext_aleg3 on Int2 (PWR) "NONET_L02_P-001" (solid, pour order 133): 86.81,181.588 86.81,173.588 97.584,173.588 97.584,177.588 112.584,177.588 112.584,181.588
SGND_ext_aleg1 on Int2 (PWR) "NONET_L02_P-001" (solid, pour order 132): 86.81,120.588 86.81,112.588 97.584,112.588 97.584,116.588 112.584,116.588 112.584,120.588
SGND_ext_aleg2 on Int2 (PWR) "NONET_L02_P-001" (solid, pour order 135): 86.81,59.588 86.81,51.588 97.584,51.588 97.584,55.588 112.584,55.588 112.584,59.588
SGND_ext_bleg3 on Int2 (PWR) "NONET_L02_P-001" (solid, pour order 127): 56.584,181.588 56.584,173.588 66.584,173.588 66.584,177.588 81.584,177.588 81.584,181.588
SGND_ext_bleg1 on Int2 (PWR) "NONET_L02_P-001" (solid, pour order 129): 56.584,120.588 56.584,112.588 66.584,112.588 66.584,116.588 81.584,116.588 81.584,120.588
SGND_ext_drvr_bck3 on Int2 (PWR) "NONET_L02_P-001" (solid, pour order 124): -39.917,181.73 -39.917,173.73 -29.917,173.73 -29.917,177.73 -14.917,177.73 -14.917,181.73
SGND_ext_1_ch_c on Int2 (PWR) "NONET_L02_P-001" (solid, pour order 138): 43.81,181.842 54.81,181.842 54.81,175.842 43.81,175.842
SGND_ext_drvr_bck2 on Int2 (PWR) "NONET_L02_P-001" (solid, pour order 123): -39.917,59.73 -39.917,51.73 -29.917,51.73 -29.917,55.73 -14.917,55.73 -14.917,59.73
+5_ext_ch_b on Int2 (PWR) "NONET_L02_P-001" (solid, pour order 139): 43.81,59.842 54.81,59.842 54.81,53.842 43.81,53.842
+5_ext_ch_a on Int2 (PWR) "NONET_L02_P-001" (solid, pour order 137): 43.81,120.842 54.81,120.842 54.81,114.842 43.81,114.842
SGND_ext_drvr_bck1 on Int2 (PWR) "NONET_L02_P-001" (solid, pour order 122): -40.19,120.842 -40.19,112.842 -30.19,112.842 -30.19,116.842 -15.19,116.842 -15.19,120.842

## Keep-outs
Keep-Out Layer:
  the board outline again, w0.254

## Silkscreen, mask and mechanical layers (free items; w line width, h text height)
Top Overlay:
  drawing of 25 lines, arcs and shapes, not listed
  text "VH | VAUX | PGND" at -76.146,183.154 h1.52
  text "MDriver Power v1.00" at -6.746,48.254 h1.52
Bottom Overlay:
  text "VH | VAUX | PGND" at -76.146,183.154 h1.52
Mechanical 1:
  lines w0.254: -95.19,-2.158 -95.19,-4.158 -93.19,-4.158 ; -47.19,48.842 -45.19,48.842 ; -45.19,50.842 -45.19,48.842 ; -43.19,48.842 -45.19,48.842 ; -45.19,48.842 -45.19,48.842 ; -45.19,48.842 -45.19,46.842 -45.19,48.842
  lines w1.27: -51,63.652 -9,63.652 ; -51,121.652 -9,121.652 ; 57,58.652 115,58.652 ; 57,121.652 115,121.652
  text "[x] Checked Hole Positioning and locked Connectors" at -94.746,192.414 h1.52